# Altium PCB RK_NVR_DEMO1_RK3588_LP4XD200P232SD8_V21_20211228_final_lint.PcbDoc (part 8 of 29) (continued)
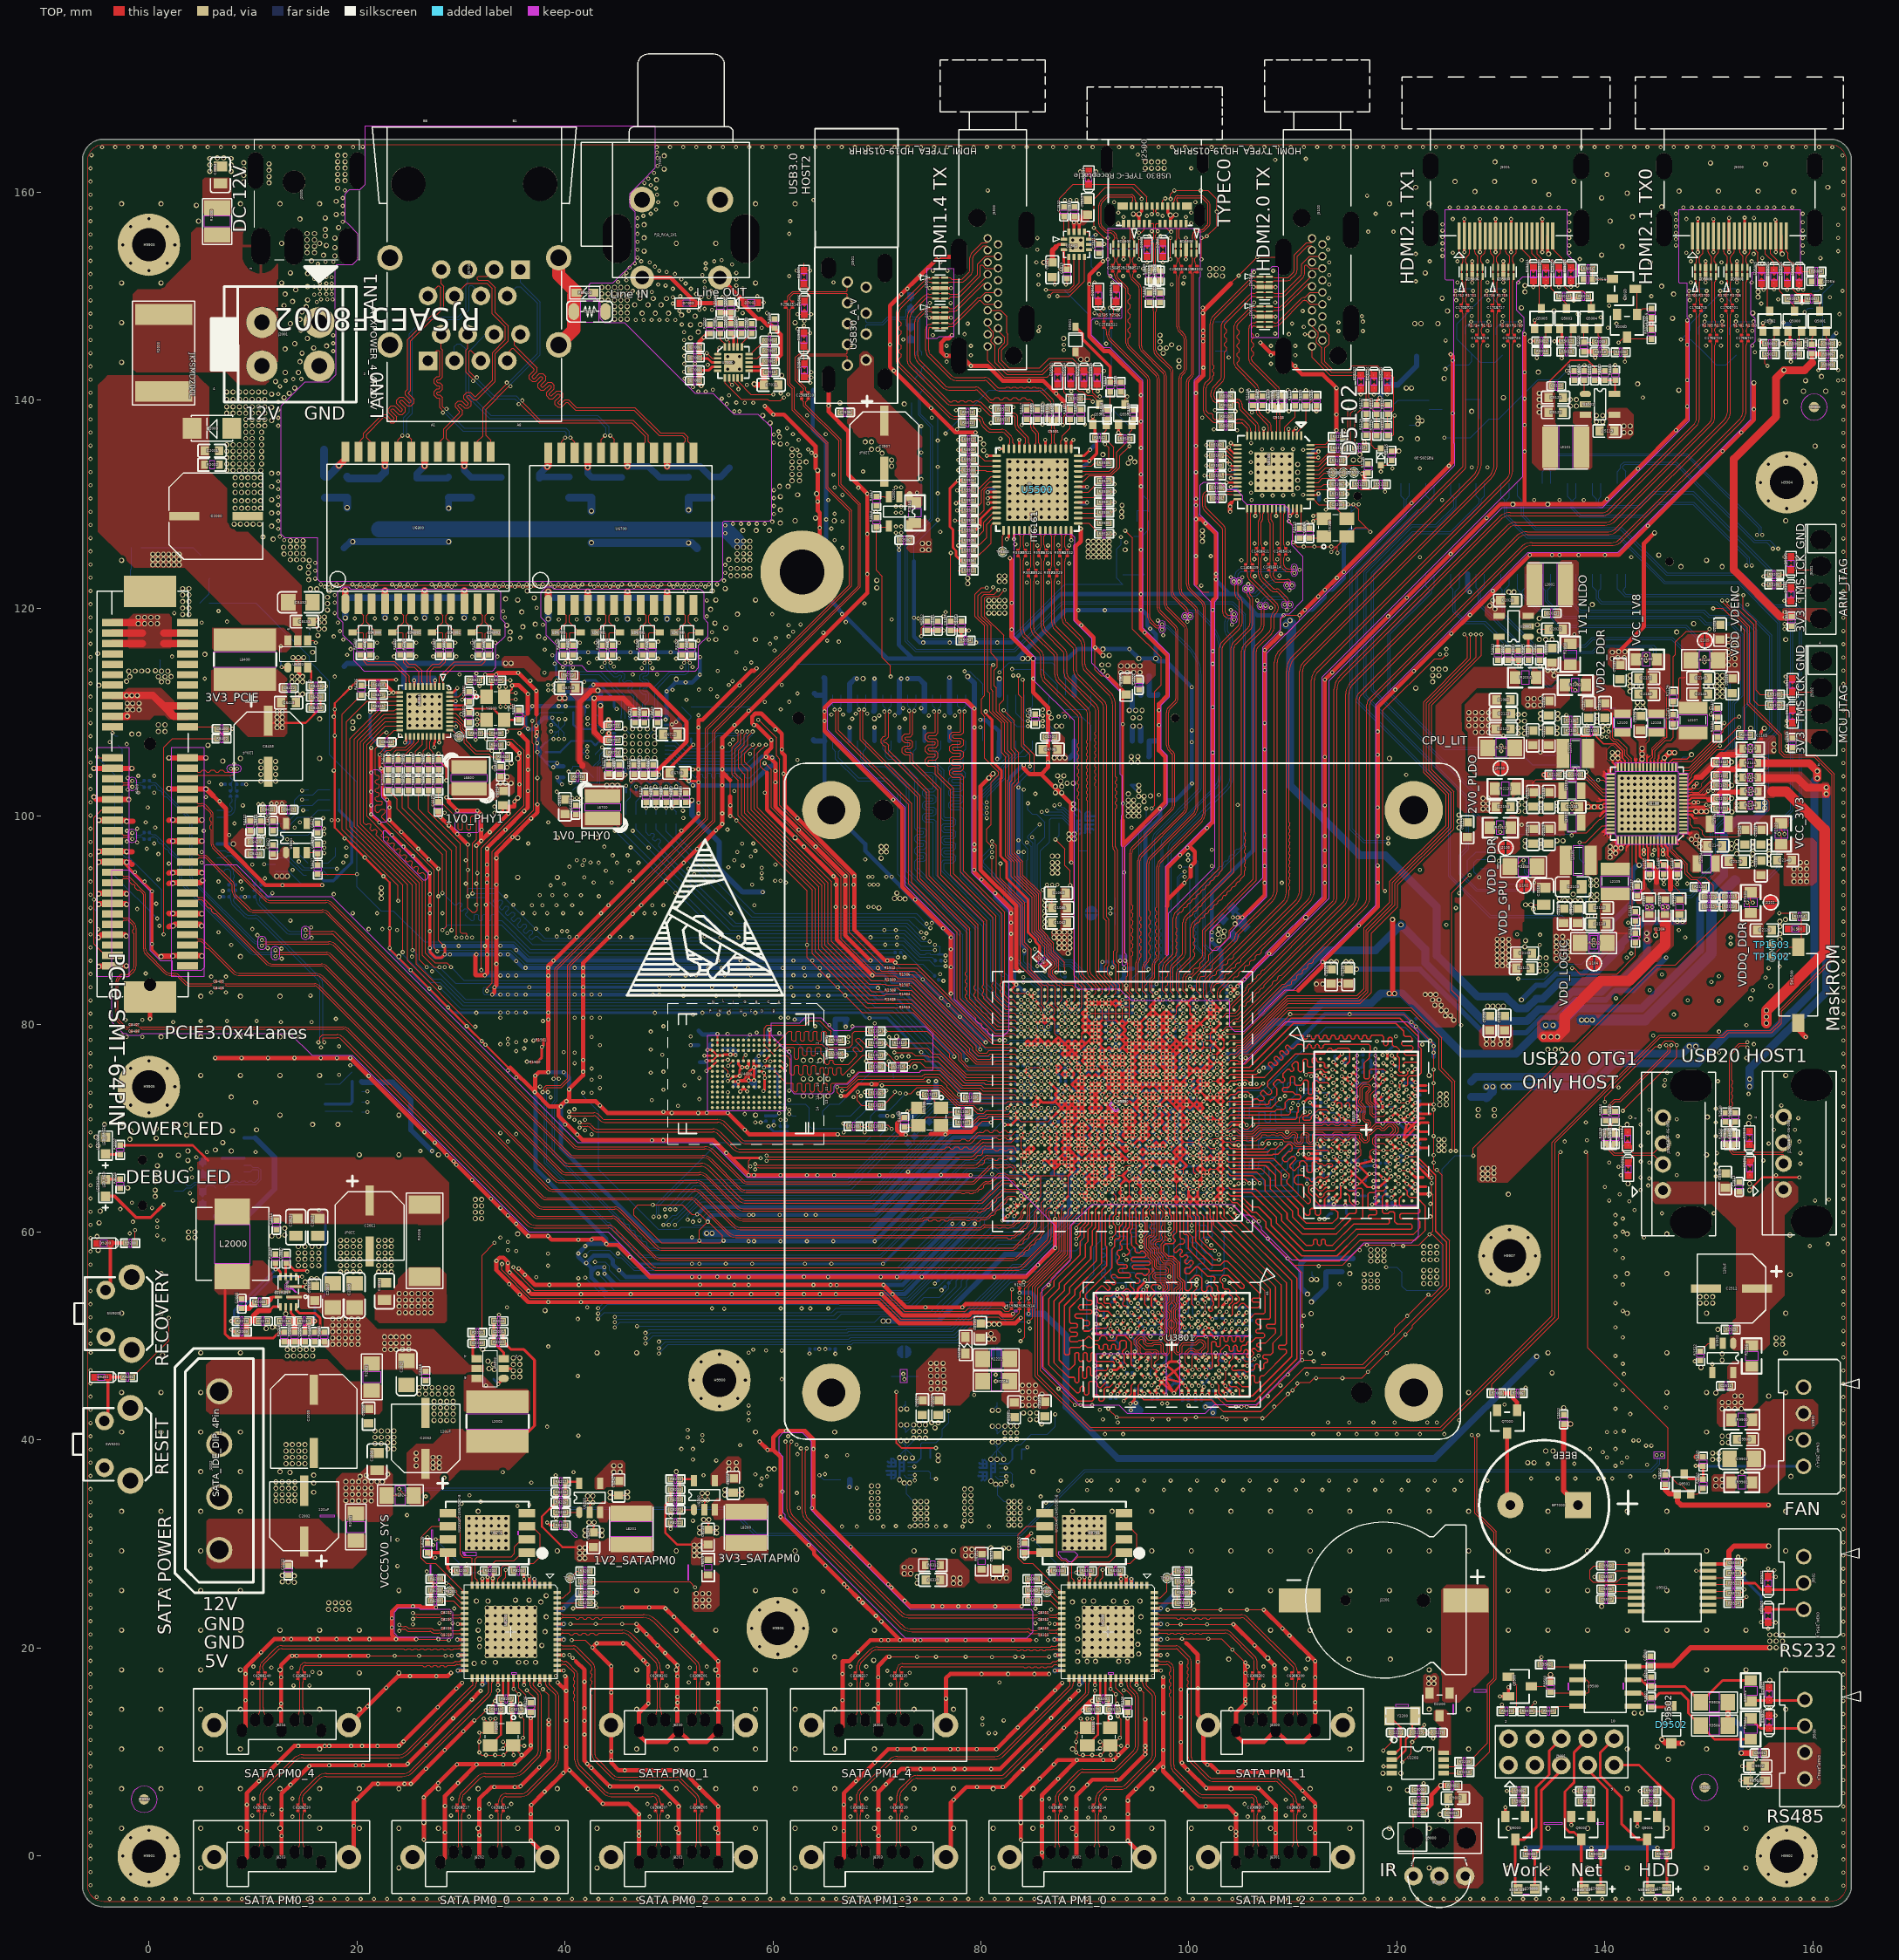
[diagram p0: TOP view]
## Nets (pads, with @x,y where several pads share a name; then routed paths per layer and width w, separated by ;. In a path a pad name is that pad's centre, name@x,y a point inside that pad or via, vN(x,y) a via of type N, cw(c..) or ccw(c..) an arc to the next point about the centre after c; other vN are vias at no path point) (continued)
  BOTTOM w0.076: v4(106.865,120.231) 106.976,120.342 106.976,120.511 cw(c107.586,120.511) 107.586,121.12 109.121,121.12 cw(c109.121,120.623) 109.618,120.623 109.618,120.409 109.694,120.333 v4(109.713,120.333)
  other v3: 106.865,120.231 109.713,120.333
DP1TX1P: C1410.1 U1000.AP9 | length 51.1
  TOP w0.076: U1000.AP9@99.141,83.306 99.077,83.37 99.077,84.874 cw(c99.383,84.874) 99.167,85.091 100.398,86.322 ccw(c100.275,86.445) 100.448,86.445 100.575,86.572 100.575,86.8 100.448,86.927 100.448,87.156 100.575,87.283 100.575,87.512 100.448,87.639 100.448,87.867 100.575,87.994 100.575,88.223 100.448,88.35 100.448,89.264 cw(c100.853,89.265) 100.569,89.553 100.78,89.764 100.836,89.764 ; 100.836,89.763 100.892,89.763 101.054,89.925 101.054,89.981 ; 101.054,89.982 101.054,90.038 101.216,90.2 101.272,90.2 ; 101.272,90.199 101.328,90.199 101.49,90.361 101.49,90.417 ; 101.49,90.418 101.49,90.474 101.652,90.636 101.708,90.636 101.764,90.635 101.926,90.797 101.926,90.853 ; 101.926,90.854 101.926,90.909 102.088,91.071 102.144,91.071 ; 102.144,91.071 102.2,91.071 102.362,91.233 102.362,91.289 ; 102.361,91.289 102.361,91.345 102.524,91.507 102.579,91.507 ; 102.58,91.507 102.636,91.507 102.798,91.669 102.798,91.725 102.797,91.781 102.959,91.943 103.015,91.943 ; 103.016,91.943 103.072,91.943 103.234,92.105 103.234,92.161 ; 103.233,92.161 103.233,92.217 103.395,92.379 103.451,92.379 ; 103.452,92.379 103.508,92.379 103.67,92.541 103.67,92.596 ; 103.669,92.597 103.669,92.653 103.831,92.815 103.887,92.815 103.943,92.814 104.105,92.976 104.105,93.032 ; 104.105,93.033 104.105,93.089 104.267,93.251 104.323,93.251 ; 104.323,93.25 104.379,93.25 104.541,93.412 104.541,93.468 ; 104.541,93.469 104.541,93.525 104.703,93.687 104.759,93.687 ; 104.759,93.686 104.815,93.686 104.977,93.848 104.977,93.904 104.977,93.96 105.351,94.334 105.351,94.728 105.452,94.829 105.452,95.058 105.351,95.16 105.351,95.388 105.452,95.49 105.452,95.718 105.351,95.82 105.351,96.049 105.452,96.15 105.452,96.379 105.351,96.48 105.351,96.709 105.452,96.811 105.452,97.039 105.351,97.141 105.351,97.369 105.452,97.471 105.452,97.7 105.351,97.801 105.351,98.03 105.452,98.131 105.452,98.36 105.351,98.462 105.351,115.88 cw(c106.044,115.88) 105.554,116.37 106.976,117.793 ccw(c106.302,118.467) 107.256,118.467 107.256,119.963 cw(c107.635,119.963) v4(107.367,120.231) ; C1410.1@106.51,125.213 106.519,125.204 cw(c106.118,124.803) 106.685,124.803 106.685,123.279 ccw(c107.549,123.279) 106.938,122.669 106.955,122.651 107.871,121.735 ccw(c108.252,122.117) 108.252,121.577 108.41,121.577 cw(c108.41,121.36) 108.564,121.514 109.266,120.811 cw(c109.093,120.638) 109.338,120.638 109.338,120.409 109.262,120.333 v4(109.212,120.333)
  BOTTOM w0.076: v4(107.367,120.231) 107.256,120.342 107.256,120.511 cw(c107.586,120.511) 107.586,120.841 109.121,120.841 cw(c109.121,120.623) 109.338,120.623 109.338,120.409 109.262,120.333 v4(109.212,120.333)
  other v3: 107.367,120.231 109.212,120.333
DP1TX2N: C1414.1 U1000.AP10 | length 50.2
  TOP w0.076: U1000.AP10@98.491,83.306 98.48,83.316 98.48,85.382 cw(c98.601,85.382) 98.516,85.467 99.503,86.455 ccw(c99.06,86.897) 99.686,86.897 99.686,89.747 cw(c100.274,89.747) 99.859,90.163 100.14,90.444 100.196,90.444 ; 100.196,90.444 100.252,90.444 100.414,90.606 100.414,90.662 100.414,90.718 100.576,90.88 100.631,90.88 ; 100.632,90.88 100.688,90.88 100.85,91.042 100.85,91.098 ; 100.849,91.098 100.849,91.154 101.011,91.316 101.067,91.316 ; 101.068,91.316 101.124,91.316 101.286,91.478 101.286,91.533 ; 101.285,91.534 101.285,91.59 104.335,94.639 104.335,116.167 cw(c104.825,116.167) 104.478,116.514 104.538,116.574 105.869,117.905 ccw(c105.157,118.616) 106.163,118.616 106.163,120.8 ccw(c105.602,120.8) 105.999,121.197 105.89,121.306 cw(c105.966,121.382) 105.859,121.382 105.859,121.612 cw(c106.206,121.612) v4(105.96,121.857) ; C1414.1@108.295,123.702 108.232,123.64 ccw(c108.506,123.367) 108.119,123.367 108.119,123.158 ccw(c108.379,123.158) 108.195,122.974 108.297,122.873 ccw(c108.542,123.118) 108.542,122.771 109.456,122.771 cw(c109.456,122.416) 109.812,122.416 109.812,122.298 v4(109.923,122.187)
  BOTTOM w0.076: v4(105.96,121.857) 105.859,121.755 105.859,121.552 ccw(c105.96,121.552) 105.96,121.45 106.265,121.45 ccw(c106.265,121.723) 106.457,121.53 107.017,122.09 cw(c108.662,120.444) 108.662,122.771 109.465,122.771 cw(c109.465,122.416) 109.821,122.416 109.821,122.289 v4(109.923,122.187)
  other v3: 105.96,121.857 109.923,122.187
DP1TX2P: C1413.1 U1000.AN10 | length 50.8
  TOP w0.076: U1000.AN10@98.491,82.656 98.491,82.896 98.201,83.186 98.201,85.382 cw(c98.601,85.382) 98.318,85.665 99.305,86.652 ccw(c99.06,86.898) 99.407,86.898 99.407,89.747 cw(c100.274,89.747) 99.661,90.361 104.055,94.755 104.055,116.167 cw(c104.825,116.167) 104.28,116.711 104.34,116.771 105.559,117.99 105.671,118.102 ccw(c105.157,118.616) 105.884,118.616 105.884,120.8 ccw(c105.602,120.8) 105.801,121 105.693,121.108 cw(c105.967,121.382) 105.579,121.382 105.579,121.566 ccw(c105.167,121.566) v3@105.459,121.857 ; C1413.1@107.665,123.702 107.726,123.64 cw(c107.453,123.367) 107.84,123.367 107.84,123.158 ccw(c108.379,123.158) 107.998,122.777 108.099,122.675 ccw(c108.542,123.118) 108.542,122.492 109.456,122.492 cw(c109.456,122.416) 109.532,122.416 109.532,122.298 v4(109.421,122.187)
  BOTTOM w0.076: v4(105.459,121.857) 105.579,121.736 105.579,121.552 ccw(c105.96,121.552) 105.96,121.171 106.265,121.171 ccw(c106.265,121.723) 106.655,121.332 107.215,121.892 cw(c108.662,120.444) 108.662,122.492 109.465,122.492 cw(c109.465,122.416) 109.542,122.416 109.542,122.308 v4(109.421,122.187)
  other v3: 105.459,121.857 109.421,122.187
DP1TX3N: C1416.1 U1000.AN11 | length 52.2
  TOP w0.076: U1000.AN11@97.841,82.656 97.841,82.896 97.48,83.256 97.48,85.484 cw(c98.103,85.484) 97.662,85.924 98.467,86.729 98.467,90.165 cw(c99.248,90.164) 98.696,90.716 102.938,94.958 102.938,116.167 cw(c103.707,116.167) 103.163,116.711 104.645,118.194 ccw(c104.106,118.732) 104.868,118.732 104.868,120.534 ccw(c104.434,120.534) 104.741,120.841 104.58,121.002 cw(c104.927,121.349) 104.436,121.349 104.436,122.3 ccw(c104.057,122.3) v4(104.325,122.568) ; C1416.1@109.306,125.213 109.292,125.2 ccw(c109.689,124.803) 109.128,124.803 109.128,124.192 ccw(c109.413,124.192) 109.211,123.99 109.313,123.889 ccw(c109.558,124.134) 109.558,123.787 110.015,123.787 v4(110.126,123.898)
  BOTTOM w0.076: v4(104.325,122.568) 104.436,122.679 104.436,123.178 cw(c104.9,123.178) 104.572,123.505 104.703,123.636 104.712,123.644 cw(c105.046,123.307) 105.046,123.782 110.01,123.782 v4(110.126,123.898)
  other v3: 104.325,122.568 110.126,123.898
DP1TX3P: C1415.1 U1000.AP11 | length 52.7
  TOP w0.076: U1000.AP11@97.841,83.306 97.76,83.386 97.76,83.615 97.963,83.818 97.963,84.047 97.76,84.25 97.76,84.479 97.963,84.682 97.963,84.91 97.76,85.114 97.76,85.484 cw(c98.103,85.484) 97.86,85.727 98.747,86.613 98.747,86.841 98.848,86.943 98.848,87.172 98.747,87.273 98.747,87.502 98.848,87.603 98.848,87.832 98.747,87.934 98.747,88.162 98.848,88.264 98.848,88.492 98.747,88.594 98.747,88.823 98.848,88.924 98.848,89.153 98.747,89.254 98.747,90.164 cw(c99.248,90.164) 98.893,90.519 99.145,90.77 99.201,90.77 99.257,90.77 99.419,90.932 99.419,90.988 99.419,91.044 99.581,91.206 99.637,91.206 99.693,91.206 99.855,91.367 99.855,91.423 99.855,91.479 100.017,91.641 100.073,91.641 100.129,91.641 100.291,91.803 100.291,91.859 100.291,91.915 100.453,92.077 100.509,92.077 100.565,92.076 100.727,92.238 100.727,92.294 100.726,92.35 100.889,92.512 100.944,92.512 101.001,92.512 101.163,92.673 101.163,92.729 101.162,92.785 101.324,92.947 101.38,92.947 101.436,92.947 101.598,93.109 101.598,93.165 101.598,93.221 101.76,93.383 101.816,93.383 101.872,93.382 102.034,93.544 102.034,93.6 102.034,93.656 102.196,93.818 102.252,93.818 102.308,93.818 102.47,93.979 102.47,94.035 102.47,94.092 102.632,94.253 102.688,94.253 102.744,94.253 102.906,94.415 102.906,94.471 102.906,94.527 103.217,94.842 103.217,116.167 cw(c103.707,116.167) 103.361,116.514 103.471,116.624 104.843,117.996 ccw(c104.106,118.732) 105.147,118.732 105.147,120.534 ccw(c104.434,120.534) 104.939,121.038 104.777,121.2 cw(c104.927,121.349) 104.716,121.349 104.716,122.299 cw(c105.095,122.299) v4(104.827,122.568) ; C1415.1@108.671,125.213 108.684,125.2 cw(c108.288,124.803) 108.849,124.803 108.849,124.192 ccw(c109.413,124.191) 109.014,123.793 109.115,123.691 ccw(c109.558,124.134) 109.558,123.508 110.015,123.508 v4(110.126,123.397)
  BOTTOM w0.076: v4(104.827,122.568) 104.716,122.679 104.716,123.178 cw(c104.9,123.178) 104.77,123.308 104.898,123.436 104.908,123.445 cw(c105.046,123.307) 105.046,123.503 110.02,123.503 v4(110.126,123.397)
  other v3: 104.827,122.568 110.126,123.397
DP2HDMI_PWREN_H_GPIO3_B2: R5129.1 R5131.1 R5549.1 R5552.1 U1000.AE28 | length 137.7
  TOP w0.089: U1000.AE28@86.791,77.456 v4(87.116,77.781)
  TOP w0.102: v4(74.261,117.31) 74.261,118.098 74.871,118.707 R5552.1@74.871,118.751 ; v4(136.339,142.821) R5131.1@137.049,142.821
  L4-S1 w0.102: v4(74.261,117.31) 74.49,117.082 75.277,117.082 77.715,114.643 77.715,113.221 78.935,112.002 78.935,106.007 71.924,98.997 70.502,98.997 69.689,98.184 69.689,94.831 71.213,93.307 71.213,91.885 73.143,89.954 73.143,87.313 75.637,84.819 v4(76.074,84.819)
  L6-S2 w0.089: 82.09,78.067 82.227,78.067 82.253,78.042 82.44,78.042 82.767,78.369 86.528,78.369 v4(87.116,77.781)
  L6-S2 w0.102: v4(76.074,84.819) 76.348,84.819 81.348,79.819 81.348,78.22 81.5,78.067 82.09,78.067 ; v4(93.463,126.835) 95.292,126.835 96.511,125.616 103.623,125.616 105.249,127.242 115.612,127.242 121.302,132.931 121.302,133.134 v4(124.553,136.386)
  BOTTOM w0.102: v4(74.261,117.31) 74.524,117.047 82.812,117.047 88.086,122.321 R5549.1@93.609,122.321 ; v4(93.463,126.835) 93.463,126.124 93.057,125.718 93.057,122.873 R5549.1@93.609,122.321 ; R5549.1@93.667,122.321 R5549.1@93.609,122.321 ; v4(124.553,136.386) 127.063,136.386 R5129.1@128.871,138.194 129.815,138.194 133.595,141.974 135.491,141.974 v4(136.339,142.821)
  other v3: 87.116,77.781 76.074,84.819 74.261,117.31 93.463,126.835 124.553,136.386 136.339,142.821
  other v12: 87.116,77.781 76.074,84.819 93.463,126.835 124.553,136.386
  other v17: 76.074,84.819 74.261,117.31
DP2HDMI_RSTN: C5106.1 R5121.2 R5122.2 U5100.46 | length 7.3
  TOP w0.102: U5100.46@111.688,131.68 112.736,131.68 112.98,131.925 C5106.1@113.802,131.925 114.32,131.407 115.467,131.407 R5121.2@115.975,131.915 116.019,131.915 116.527,131.407 117.499,131.407 R5122.2@118.007,131.915
DP2HDMI_RSTN_GPIO0_D5: R5122.1 U1000.V28 | length 151.8
  TOP w0.102: v4(86.466,73.231) U1000.V28@86.791,72.906 ; v4(118.863,131.204) 118.907,131.248 R5122.1@118.907,131.915
  L4-S1 w0.102: v4(50.881,72.136) 50.881,85.065 59.326,93.51 59.326,100.521 59.631,100.826 59.631,104.28 61.358,106.007 61.358,110.071 62.983,111.697 62.983,113.119 65.879,116.015 66.489,116.015 75.48,125.006 75.48,126.53 76.09,127.14 v4(76.09,127.343)
  L6-S2 w0.089: 82.09,72.511 82.133,72.511 82.14,72.517 85.752,72.517 v4(86.466,73.231)
  L6-S2 w0.102: v4(50.881,72.136) 58.83,72.136 60.748,70.219 62.145,70.219 63.949,72.022 69.816,72.022 70.375,72.581 75.379,72.581 76.293,71.666 78.833,71.666 79.678,72.511 82.09,72.511 ; v4(76.09,127.343) 80.255,127.343 80.967,128.054 94.378,128.054 96.613,125.819 103.522,125.819 105.249,127.546 115.206,127.546 v4(118.863,131.204)
  other v3: 50.881,72.136 86.466,73.231 76.09,127.343 118.863,131.204
  other v12: 50.881,72.136 86.466,73.231 76.09,127.343 118.863,131.204
  other v17: 50.881,72.136 76.09,127.343
DP2HDMI_XIN: C5105.1 U5100.43 Y5100.3 | length 4.3
  TOP w0.102: U5100.43@111.688,130.481 111.967,130.481 112.493,129.955 C5105.1@113.802,129.955 115.157,128.599 Y5100.3@115.188,128.599
DP2HDMI_XOUT: R5115.2 U5100.42 | length 2
  TOP w0.102: R5115.2@110.676,127.66 110.788,127.772 U5100.42@110.788,129.58
EMMC_CLKOUT: C4010.1 R1310.2 TP1300.1 U4000.M6 | length 28.7
  TOP w0.102: U4000.M6@55.169,75.969 55.686,75.452 v4(55.686,75.07) ; v4(66.641,73.597) 67.073,73.597 68.19,74.714 74.464,74.714 74.667,74.918 75.887,74.918 76.732,74.072 76.732,73.934 77.756,72.91 78.509,72.91 R1310.2@78.561,72.962
  L6-S2 w0.081: v4(55.686,75.07) 56.075,74.681 56.075,73.8 56.786,73.089 61.764,73.089 62.272,73.597 v4(66.641,73.597)
  BOTTOM w0.086: C4010.1@54.957,74.352 54.968,74.352 v4(55.686,75.07) 55.33,75.426 TP1300.1@55.16,75.426
  other v3: 66.641,73.597 55.686,75.07
  other v12: 66.641,73.597 55.686,75.07
EMMC_CLKOUT_SOC: R1310.1 U1000.V34 | length 3.5
  TOP w0.102: R1310.1@79.461,72.962 79.517,72.906 U1000.V34@82.891,72.906
EMMC_CMD: R1315.2 R4001.2 U4000.M5 | length 18.4
  TOP w0.102: U4000.M5@55.169,76.469 55.27,76.571 v4(55.668,76.571) ; v4(68.978,76.442) 70.578,76.442 71.137,75.883 R1315.2@71.576,75.883
  L6-S2 w0.081: v4(55.668,76.571) 56.407,76.571 57.497,77.661 58.488,77.661 58.684,77.856 67.563,77.856 v4(68.978,76.442)
  BOTTOM w0.086: R4001.2@55.109,76.576 55.663,76.576 v4(55.668,76.571)
  other v3: 68.978,76.442 55.668,76.571
  other v12: 68.978,76.442 55.668,76.571
EMMC_CMD/FSPI_CLK: R1304.1 R1315.1 U1000.W34 | length 12.3
  TOP w0.102: R1315.1@72.476,75.883 v4(73.042,75.883) 73.499,76.34 74.159,76.34 74.667,75.832 76.09,75.832 78.071,73.851 79.9,73.851 80.195,73.556 U1000.W34@82.891,73.556
  BOTTOM w0.102: R1304.1@72.476,75.883 v4(73.042,75.883)
  other v3: 73.042,75.883
EMMC_D0: R1309.2 R4000.2 U4000.A3 | length 20.3
  TOP w0.102: U4000.A3@60.668,77.469 v4(61.069,77.469) 61.362,77.762 61.963,77.762 62.064,77.661 62.064,76.746 62.166,76.645 62.369,76.645 62.471,76.746 62.471,77.661 62.572,77.762 62.775,77.762 62.877,77.661 62.877,77.051 62.979,76.95 63.182,76.95 63.283,77.051 63.283,77.661 63.385,77.762 63.588,77.762 63.69,77.661 63.69,77.051 63.791,76.95 63.995,76.95 64.096,77.051 64.096,77.661 64.198,77.762 64.507,77.762 64.609,77.661 64.609,77.153 65.015,76.746 65.015,76.239 65.117,76.137 65.316,76.137 65.417,76.238 65.417,76.442 65.519,76.543 65.722,76.543 65.824,76.442 65.824,76.238 65.925,76.137 67.251,76.137 68.084,76.971 68.084,77.114 67.72,77.479 67.72,77.622 67.864,77.766 68.008,77.766 68.372,77.402 68.516,77.402 68.66,77.546 68.66,77.689 67.99,78.358 67.99,78.502 68.134,78.646 68.278,78.646 69.014,77.91 69.158,77.91 R1309.2@69.417,78.169
  BOTTOM w0.086: R4000.2@60.385,77.458 61.058,77.458 v4(61.069,77.469)
  other v3: 61.069,77.469
EMMC_D0/FSPI_D0: R1300.1 R1309.1 U1000.Y33 | length 15.4
  TOP w0.102: R1309.1@70.317,78.169 v4(70.843,78.169) 71.351,77.661 74.871,77.661 75.379,77.153 75.988,77.153 78.528,74.613 80.535,74.613 80.631,74.517 83.23,74.517 U1000.Y33@83.541,74.206
  BOTTOM w0.102: R1300.1@70.317,78.169 v4(70.843,78.169)
  other v3: 70.843,78.169
EMMC_D1: R1311.2 U4000.A4 | length 19.2
  TOP w0.102: U4000.A4@60.668,76.969 61.338,76.969 61.663,76.645 61.663,75.244 61.764,75.142 61.989,75.142 62.091,75.244 62.091,75.934 62.192,76.035 62.395,76.035 62.497,75.934 62.497,75.244 62.599,75.142 62.802,75.142 62.903,75.244 62.903,75.934 63.005,76.035 63.208,76.035 63.31,75.934 63.31,75.244 63.411,75.142 63.615,75.142 63.716,75.244 63.716,75.934 63.818,76.035 64.021,76.035 64.123,75.934 64.123,75.244 64.224,75.142 64.427,75.142 64.529,75.244 64.529,75.73 64.631,75.832 64.834,75.832 64.935,75.73 64.935,75.244 65.037,75.142 65.24,75.142 65.342,75.244 65.342,75.73 65.443,75.832 65.647,75.832 65.748,75.73 65.748,75.244 65.85,75.142 66.053,75.142 66.155,75.244 66.155,75.73 66.256,75.832 66.459,75.832 66.561,75.73 66.561,75.244 66.663,75.142 66.764,75.142 68.648,77.026 R1311.2@69.417,77.026
EMMC_D1/FSPI_D1: R1301.1 R1311.1 U1000.W33 | length 15.5
  TOP w0.102: R1311.1@70.317,77.026 70.756,77.026 v4(70.857,77.127) 71.035,77.127 71.772,76.391 73.042,76.391 73.296,76.645 74.464,76.645 74.667,76.442 75.887,76.442 78.223,74.105 80.027,74.105 80.265,73.867 83.23,73.867 U1000.W33@83.541,73.556
  BOTTOM w0.102: R1301.1@70.317,77.026 70.756,77.026 v4(70.857,77.127)
  other v3: 70.857,77.127
EMMC_D2: R1313.2 U4000.A5 | length 11.4
  TOP w0.102: U4000.A5@60.668,76.469 60.822,76.469 v4(61.256,76.035) ; v4(68.165,73.495) 68.111,73.441 68.111,72.635 68.546,72.2 R1313.2@69.417,72.2
  L6-S2 w0.081: v4(61.256,76.035) 61.997,75.294 61.997,74.736 62.399,74.333 67.352,74.333 68.165,73.521 v4(68.165,73.495)
  other v3: 68.165,73.495 61.256,76.035
  other v12: 68.165,73.495 61.256,76.035
EMMC_D2/FSPI_D2: R1302.1 R1313.1 U1000.V32 | length 17.5
  TOP w0.102: R1313.1@70.317,72.2 70.629,72.2 71.731,73.302 v4(71.731,73.495) ; v4(83.866,73.231) U1000.V32@84.191,72.906
  L6-S2 w0.081: v4(71.731,73.495) 71.934,73.698 74.109,73.698 74.337,73.47 76.014,73.47 76.903,72.581 78.325,72.581 78.975,73.231 82.09,73.231
  L6-S2 w0.089: 82.09,73.231 v4(83.866,73.231)
  BOTTOM w0.102: R1302.1@70.317,72.2 70.629,72.2 71.731,73.302 v4(71.731,73.495)
  other v3: 83.866,73.231 71.731,73.495
  other v12: 83.866,73.231 71.731,73.495
EMMC_D3: R1314.2 U4000.B2 | length 19
  TOP w0.102: U4000.B2@60.169,77.969 61.515,79.316 61.731,79.316 61.832,79.214 61.832,78.474 61.934,78.372 62.137,78.372 62.239,78.474 62.239,79.214 62.34,79.316 62.544,79.316 62.645,79.214 62.645,78.474 62.747,78.372 62.95,78.372 63.052,78.474 63.052,79.214 63.153,79.316 63.356,79.316 63.458,79.214 63.458,78.474 63.56,78.372 63.763,78.372 63.864,78.474 63.864,79.214 63.966,79.316 64.169,79.316 64.271,79.214 64.271,78.474 64.372,78.372 64.576,78.372 64.677,78.474 64.677,79.214 64.779,79.316 65.015,79.316 65.117,79.214 65.117,78.074 65.428,77.762 67.352,77.762 67.657,78.067 67.657,79.109 67.86,79.312 R1314.2@69.417,79.312
EMMC_D3/FSPI_D3: R1303.1 R1314.1 U1000.AA33 | length 15.8
  TOP w0.102: R1314.1@70.317,79.312 v4(70.843,79.312) 74.838,79.312 77.004,77.145 77.004,76.746 78.584,75.167 83.23,75.167 U1000.AA33@83.541,74.856
  BOTTOM w0.102: R1303.1@70.317,79.312 v4(70.843,79.312)
  other v3: 70.843,79.312
EMMC_D4: R1305.2 U4000.B3 | length 6.1
  TOP w0.102: U4000.B3@60.169,77.469 60.767,78.067 64.692,78.067 R1305.2@65.607,77.153
EMMC_D4_SOC: R1305.1 U1000.Y32 | length 22
  TOP w0.102: R1305.1@66.507,77.153 66.946,77.153 v4(67.073,77.026) ; v4(83.866,74.531) U1000.Y32@84.191,74.206
  L6-S2 w0.081: v4(67.073,77.026) 67.356,76.742 67.356,76.598 66.637,75.878 66.637,75.735 66.78,75.591 66.924,75.591 67.644,76.311 67.788,76.311 68.453,75.645 68.453,75.501 68.292,75.34 68.292,75.197 68.436,75.053 68.58,75.053 68.741,75.214 68.885,75.214 69.079,75.019 73.956,75.019 74.261,75.324 76.192,75.324 76.985,74.531 82.09,74.531
  L6-S2 w0.089: 82.09,74.531 v4(83.866,74.531)
  other v3: 83.866,74.531 67.073,77.026
  other v12: 83.866,74.531 67.073,77.026
EMMC_D5: R1306.2 U4000.B4 | length 11.1
  TOP w0.102: U4000.B4@60.169,76.969 59.157,77.982 59.157,79.625 59.427,79.896 63.085,79.896 63.491,80.302 64.507,80.302 65.422,79.388 65.505,79.388 65.607,79.286 R1306.2@65.607,78.423
EMMC_D5_SOC: R1306.1 U1000.AA32 | length 19.8
  TOP w0.102: R1306.1@66.507,78.423 66.665,78.265 v4(67.2,78.265) ; v4(83.866,75.181) U1000.AA32@84.191,74.856
  L6-S2 w0.081: v4(67.2,78.265) 68,78.265 70.585,75.68 71.655,75.68 72.315,76.34 76.09,76.34 77.309,75.121 82.09,75.121
  L6-S2 w0.089: 82.09,75.121 83.806,75.121 v4(83.866,75.181)
  other v3: 83.866,75.181 67.2,78.265
  other v12: 83.866,75.181 67.2,78.265
EMMC_D6: R1316.2 U4000.B5 | length 11.4
  TOP w0.102: v4(59.763,76.42) 59.814,76.42 59.863,76.469 U4000.B5@60.169,76.469 ; v4(68.825,73.47) 68.952,73.343 R1316.2@69.417,73.343
  L6-S2 w0.081: v4(59.763,76.42) 61.963,76.42 62.374,76.01 65.295,76.01 66.641,74.664 67.632,74.664 v4(68.825,73.47)
  other v3: 68.825,73.47 59.763,76.42
  other v12: 68.825,73.47 59.763,76.42
EMMC_D6/FSPI_CS0: R1307.1 R1316.1 U1000.W32 | length 15.8
  TOP w0.102: R1316.1@70.317,73.343 70.756,73.343 70.921,73.508 v4(70.921,73.606) ; v4(83.866,73.881) U1000.W32@84.191,73.556
  L6-S2 w0.081: v4(70.921,73.606) 71.01,73.696 71.01,74.206 71.162,74.359 74.413,74.359 74.617,74.156 76.445,74.156 76.75,73.851 82.09,73.851
  L6-S2 w0.089: 82.09,73.851 82.846,73.851 82.876,73.881 v4(83.866,73.881)
  BOTTOM w0.102: R1307.1@70.317,73.343 70.756,73.343 70.921,73.508 v4(70.921,73.606)
  other v3: 70.921,73.606 83.866,73.881
  other v12: 70.921,73.606 83.866,73.881
EMMC_D7: R1308.2 U4000.B6 | length 18.1
  TOP w0.102: U4000.B6@60.169,75.969 60.169,75.446 61.282,74.333 61.85,74.333 61.951,74.232 61.951,73.597 62.053,73.495 62.256,73.495 62.358,73.597 62.358,74.232 62.459,74.333 62.662,74.333 62.764,74.232 62.764,73.597 62.866,73.495 63.069,73.495 63.17,73.597 63.17,74.232 63.272,74.333 63.475,74.333 63.577,74.232 63.577,73.597 63.678,73.495 63.882,73.495 63.983,73.597 63.983,74.232 64.085,74.333 64.288,74.333 64.39,74.232 64.39,73.597 64.491,73.495 64.694,73.495 64.796,73.597 64.796,74.232 64.898,74.333 65.101,74.333 65.202,74.232 65.202,73.597 65.304,73.495 65.507,73.495 65.609,73.597 65.609,74.232 65.71,74.333 67.091,74.333 68.183,75.426 68.959,75.426 R1308.2@69.417,75.883
EMMC_D7_SOC: R1308.1 U1000.V33 | length 14.6
  TOP w0.102: R1308.1@70.317,75.883 70.825,75.375 74.058,75.375 74.21,75.527 76.09,75.527 78.02,73.597 79.773,73.597 80.153,73.217 83.23,73.217 U1000.V33@83.541,72.906
EMMC_DATA_STROBE: R4003.1 U1000.Y34 | length 29.2
  TOP w0.102: v4(71.682,77.28) 73.347,77.28 73.677,76.95 74.871,76.95 74.972,76.848 75.887,76.848 78.376,74.359 80.281,74.359 80.434,74.206 U1000.Y34@82.891,74.206
  L6-S2 w0.081: v4(57.798,78.985) 58.042,78.742 62.049,78.742 63.784,80.477 67.482,80.477 70.476,77.483 71.478,77.483 v4(71.682,77.28)
  BOTTOM w0.102: R4003.1@57.294,78.492 57.787,78.985 v4(57.798,78.985)
  other v3: 71.682,77.28 57.798,78.985
  other v12: 71.682,77.28 57.798,78.985
EMMC_DS: R4003.2 R4004.1 U4000.H5 | length 2.3
  TOP w0.102: U4000.H5@57.169,76.469 57.169,76.851 57.171,76.853 v4(57.37,77.026)
  BOTTOM w0.102: v4(57.37,77.026) 57.294,77.102 R4003.2@57.294,77.592 R4004.1@58.31,77.592
  other v3: 57.37,77.026
EMMC_RSTN: C4009.1 R1312.2 R4002.2 U4000.K5 | length 23.2
  TOP w0.102: v4(55.701,76.002) U4000.K5@56.169,76.469 ; v4(71.162,78.753) 71.703,78.212 R1312.2@71.703,78.169
  L6-S2 w0.081: v4(55.701,76.002) 55.316,76.388 55.316,77.471 57.741,79.896 62.171,79.896 63.412,81.138 67.838,81.138 68.978,79.998 69.283,79.998 70.527,78.753 v4(71.162,78.753)
  BOTTOM w0.086: v4(55.701,76.002) 56.201,76.002 C4009.1@56.278,76.079 56.64,76.442 56.767,76.442
  BOTTOM w0.102: 56.767,76.442 R4002.2@57.225,76.442
  other v3: 55.701,76.002 71.162,78.753
  other v12: 55.701,76.002 71.162,78.753
EMMC_RSTN_SOC: R1312.1 U1000.AA34 | length 11.7
  TOP w0.102: R1312.1@72.603,78.169 75.277,78.169 78.59,74.856 U1000.AA34@82.891,74.856
EMMC_VDDI: C4008.1 U4000.C2 | length 2.6
  TOP w0.203: U4000.C2@59.668,77.969 v4(59.668,79.464)
  BOTTOM w0.406: C4008.1@59.511,78.423 59.511,79.306 v4(59.668,79.464)
  other v3: 59.668,79.464
ENTEST: R5513.1 U5500.44 | length 3.6
  TOP w0.102: R5513.1@79.283,136.182 79.747,135.718 79.747,134.76 80.35,134.157 U5500.44@81.512,134.157
ES_CE: R7002.2 R7004.1 U7000.20 | length 2.8
  TOP w0.102: R7002.2@53.941,147.3 54.057,147.3 R7004.1@54.957,146.4 54.957,145.834 55.401,145.39 U7000.20@55.401,145.125
ETH0_REFCLKO25M: R1511.1 U1000.AD30 | length 1.8
  TOP w0.089: v4(85.165,76.481) U1000.AD30@85.491,76.806
  BOTTOM w0.089: R1511.1@84.062,76.01 84.207,76.155 84.84,76.155 v4(85.165,76.481)
  other v3: 85.165,76.481
ETH0_REFCLKO_25M: R1511.2 R6709.1 | length 85.7
  TOP w0.102: v4(32.503,83.195) 32.503,83.452 33.011,83.96 33.011,96.598 36.974,100.561 36.974,106.922 36.872,107.023 v4(36.872,109.157)
  BOTTOM w0.089: 82.09,76.01 R1511.2@83.561,76.01
  BOTTOM w0.102: v4(32.503,83.195) 32.506,83.198 69.627,83.198 70.186,82.639 72.508,82.639 77.868,77.28 77.868,76.517 78.376,76.01 82.09,76.01 ; v4(36.872,109.157) 37.676,109.961 R6709.1@39.891,109.961
  other v3: 32.503,83.195 36.872,109.157
ETH1_REFCLKO25M: R1906.1 U1000.AH27 | length 1
  TOP w0.102: U1000.AH27@87.441,79.405 v4(87.766,79.081)
  BOTTOM w0.089: R1906.1@87.296,79.26 87.296,79.235 87.45,79.081 v4(87.766,79.081)
  other v3: 87.766,79.081
ETH1_REFCLKO_25M: R1906.2 R6809.1 | length 90.3
  TOP w0.102: R6809.1@33.828,113.06 v4(34.739,113.06) ; v4(83.608,113.526) 83.608,111.697 83.913,111.392 83.913,106.718 84.726,105.906 v4(84.726,104.788)
  L6-S2 w0.102: v4(34.739,113.06) 35.103,113.424 45.203,113.424 47.032,111.595 52.823,111.595 56.786,115.558 82.592,115.558 83.608,114.542 v4(83.608,113.526)
  BOTTOM w0.089: 86.332,84.081 86.758,83.655 86.758,82.233 87.012,81.979 87.012,80.069 87.296,79.785 R1906.2@87.296,79.76
  BOTTOM w0.102: v4(84.726,104.788) 83.202,103.264 83.202,92.494 84.269,91.428 84.269,87.872 84.523,87.618 84.523,85.89 86.332,84.081
  other v3: 84.726,104.788 34.739,113.06 83.608,113.526
  other v12: 34.739,113.06 83.608,113.526
ETHERNET_LED+: J9001.9 LED9001.1 R9004.2 | length 15.9
  TOP w0.254: J9001.9@140.889,8.75 143.276,8.75 146.575,5.451 146.575,0.793 R9004.2@145.952,0.171 LED9001.1@145.952,-3.146
ETHERNET_LED-: J9001.10 LED9001.2 Q9001.3 | length 17.5
  TOP w0.254: J9001.10@140.889,11.29 139.557,9.958 139.557,7.716 141.596,5.677 141.596,3.112 143.107,1.601 Q9001.3@144.077,1.601 144.077,-2.87 LED9001.2@144.352,-3.146
ETHERNET_LED_EN_H_GPIO3_C0: R9007.1 U1000.Y29 | length 179.4
  TOP w0.102: v4(85.816,74.531) U1000.Y29@86.141,74.206 ; v4(143.374,6.261) R9007.1@143.991,6.261
  L4-S1 w0.102: v4(49.039,61.481) 49.039,60.516 49.877,59.678 49.877,51.042 50.182,50.737 50.182,41.288 51.909,39.561 55.668,39.561 57.497,37.732 57.497,35.903 57.802,35.598 57.802,31.433 61.866,27.369 63.39,27.369 68.165,22.594 68.165,21.781 69.994,19.952 71.416,19.952 73.143,18.225 76.598,18.225 79.544,15.278 79.544,13.246 v4(80.154,12.637)
  L6-S2 w0.102: v4(80.154,12.637) 81.373,12.637 82.592,11.418 89.907,11.418 90.415,11.926 99.026,11.926 101.693,9.259 113.094,9.259 116.447,5.906 127.478,5.906 128.621,7.049 142.587,7.049 v4(143.374,6.261)
  BOTTOM w0.089: 82.09,73.267 83.222,73.267 83.583,72.906 84,72.906 84.19,73.096 84.19,73.364 84.382,73.556 84.65,73.556 84.841,73.747 84.841,74.015 85.031,74.205 85.49,74.205 v4(85.816,74.531)
  BOTTOM w0.102: v4(49.039,61.481) 49.039,62.548 51.553,65.062 67.209,65.062 72.594,70.447 73.347,70.447 75.683,72.784 77.944,72.784 78.426,73.267 82.09,73.267
  other v3: 143.374,6.261 80.154,12.637 49.039,61.481 85.816,74.531
  other v12: 143.374,6.261 80.154,12.637
  other v17: 80.154,12.637 49.039,61.481
FSPI_CLK: R1304.2 TP1302.1 U4300.6 | length 11.5
  L6-S2 w0.081: v4(64.068,79.794) 64.677,79.185 67.835,79.185 70.594,76.426 v4(71.137,76.426)
  BOTTOM w0.102: U4300.6@63.517,78.794 63.517,79.243 v4(64.068,79.794) ; v4(71.137,76.426) 71.576,75.987 R1304.2@71.576,75.883 71.576,74.86 TP1302.1@71.619,74.816
  other v3: 71.137,76.426 64.068,79.794
  other v12: 71.137,76.426 64.068,79.794
FSPI_CS0: R1307.2 U4300.1 | length 4.4
  BOTTOM w0.102: U4300.1@66.057,71.194 67.489,71.194 69.417,73.121 R1307.2@69.417,73.343
FSPI_D0: R1300.2 U4300.5 | length 8.4
  BOTTOM w0.102: U4300.5@62.247,78.794 62.247,78.296 63.136,77.407 68.655,77.407 R1300.2@69.417,78.169
FSPI_D1: R1301.2 U4300.2 | length 8.3
  BOTTOM w0.102: U4300.2@64.787,71.194 64.787,71.641 65.473,72.327 66.387,72.327 69.417,75.356 R1301.2@69.417,77.026
FSPI_D2: R1302.2 R4300.2 U4300.3 | length 11.9
  BOTTOM w0.102: R4300.2@60.469,72.258 60.538,72.327 63.136,72.327 63.517,71.946 U4300.3@63.517,71.194 63.517,70.168 63.739,69.946 67.163,69.946 R1302.2@69.417,72.2
FSPI_D3: R1303.2 R4301.2 U4300.7 | length 8.1
  BOTTOM w0.102: R4301.2@63.967,80.455 64.787,79.635 U4300.7@64.787,78.794 64.787,78.042 65.041,77.788 67.893,77.788 R1303.2@69.417,79.312
GMAC0_MCLKIN: R1512.1 U1000.AF34 | length 14.5
  TOP w0.102: R1512.1@71.514,85.408 73.805,85.408 81.171,78.042 82.827,78.042 U1000.AF34@82.891,78.106
GMAC0_MCLKINOUT: C6706.1 R1512.2 R6714.1 R6715.1 | length 53.2
  TOP w0.102: v4(58.589,109.258) 58.615,109.258 60.342,107.531 60.342,105.804 60.647,105.499 60.647,101.029 67.352,94.323 67.352,88.837 70.781,85.408 R1512.2@71.014,85.408
  L6-S2 w0.102: v4(40.352,104.28) 40.708,104.28 41.165,103.823 43.952,103.823 45.222,105.093 51.909,105.093 56.176,109.36 58.488,109.36 v4(58.589,109.258)
  BOTTOM w0.102: v4(40.352,104.28) 40.403,104.28 40.768,104.645 R6715.1@40.768,104.797 R6714.1@41.85,104.796 41.85,104.619 C6706.1@42.75,103.719
  other v3: 40.352,104.28 58.589,109.258
  other v12: 40.352,104.28 58.589,109.258
GMAC0_MDC: R1513.2 U6701.13 | length 42.6
  TOP w0.102: v4(56.532,108.141) 56.644,108.029 56.644,107.186 56.075,106.617 56.075,104.011 56.644,103.442 56.644,100.053 63.796,92.901 63.796,86.779 68.978,81.598 R1513.2@72.411,81.598
  BOTTOM w0.102: U6701.13@49.61,107.972 50.648,107.972 50.69,108.014 56.405,108.014 v4(56.532,108.141)
  other v3: 56.532,108.141
GMAC0_MDC_SOC: R1513.1 U1000.AB34 | length 12.8
  TOP w0.102: R1513.1@72.911,81.598 73.27,81.598 77.868,77 77.868,76.492 78.773,75.587 82.81,75.587 U1000.AB34@82.891,75.506